# Altium PCB ir-24v-shit5-7.PcbDoc (part 3 of 6)
Units mm, origin at the board's own origin, x right, y up, seen from the top; angles counter-clockwise.
Board outline 326.8 x 258 mm, 2 copper layers (Top Layer, Bottom Layer); 1190 components, 31 nets, 3220 pads, 0 vias.
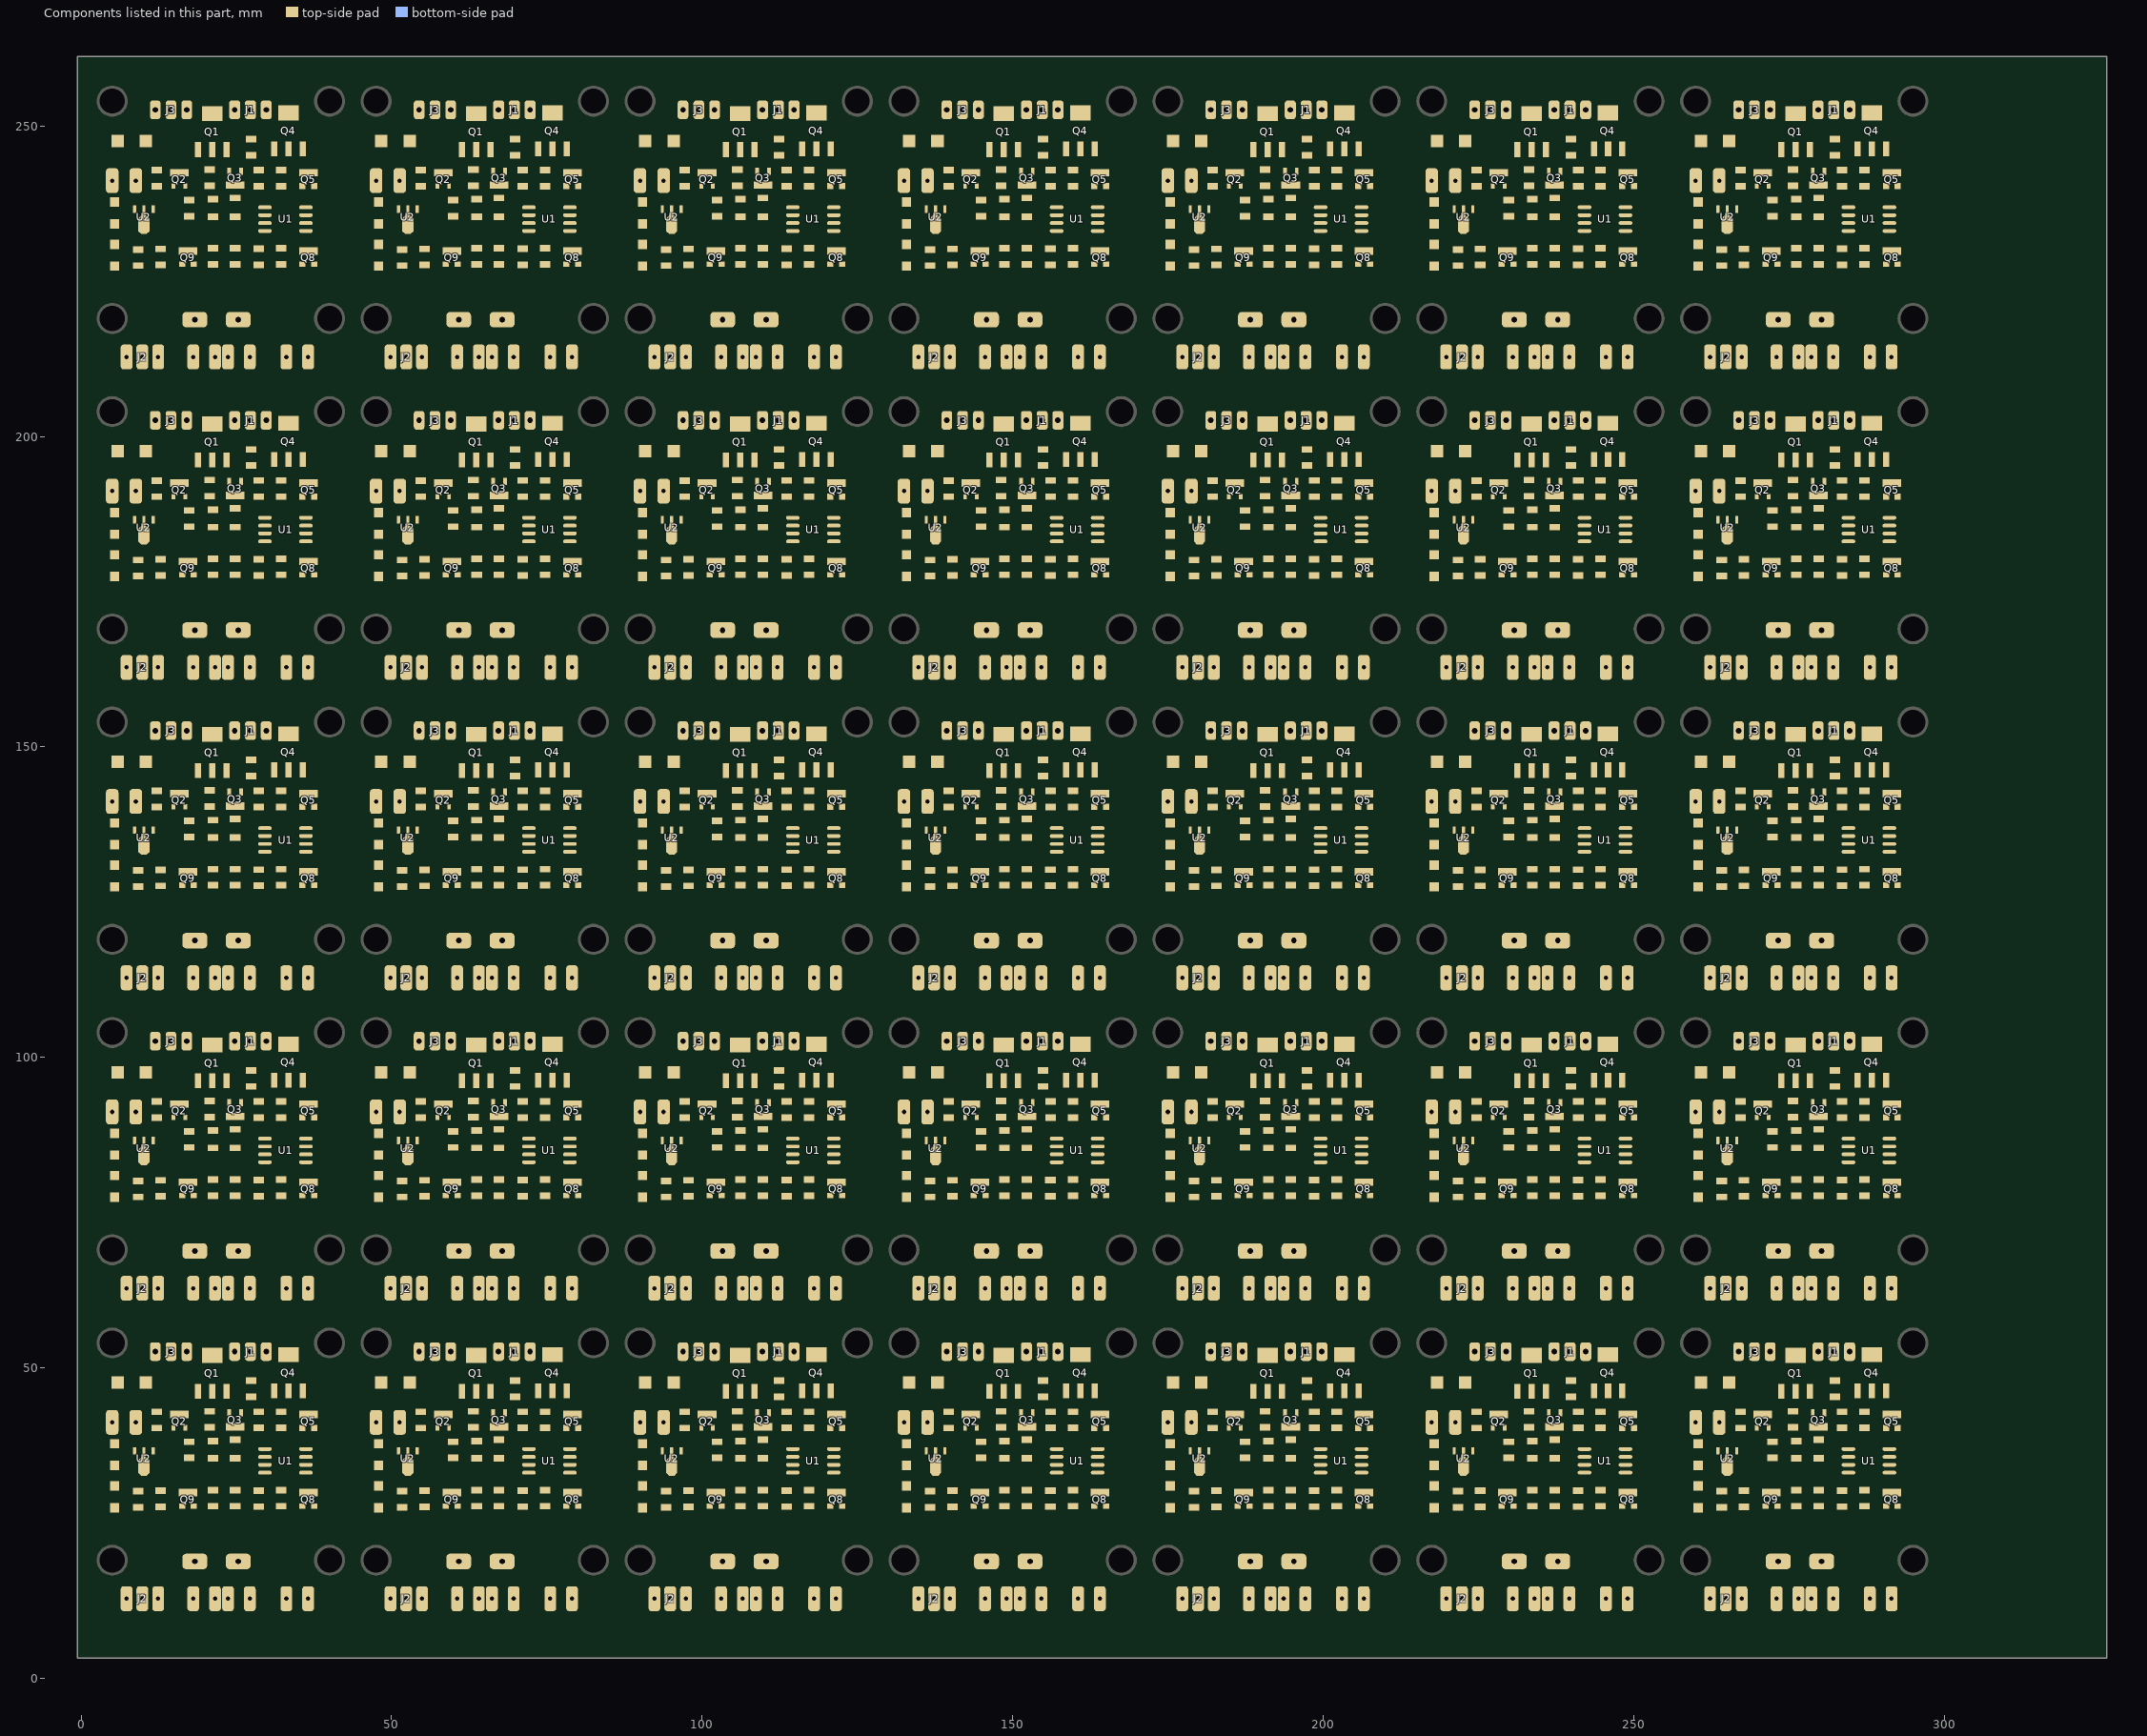
[diagram p3: the components of this part, seen from the top]

## Nets (pads, with @x,y where several pads share a name; then routed paths per layer and width w, separated by ;. In a path a pad name is that pad's centre, name@x,y a point inside that pad or via, vN(x,y) a via of type N, cw(c..) or ccw(c..) an arc to the next point about the centre after c; other vN are vias at no path point) (continued)
copper on no net: (continued)
  Top Layer w0.6: 5,27.45 5.45,27.9 5.9,27.9 8.101,30.101 9.2,30.101 9.501,30.101 13,33.6 13,35.4 ; 5,77.45 5.45,77.9 5.9,77.9 8.101,80.101 9.2,80.101 9.501,80.101 13,83.6 13,85.4 ; 5,127.45 5.45,127.9 5.9,127.9 8.101,130.101 9.2,130.101 9.501,130.101 13,133.6 13,135.4 ; 5,177.45 5.45,177.9 5.9,177.9 8.101,180.101 9.2,180.101 9.501,180.101 13,183.6 13,185.4 ; 5,227.45 5.45,227.9 5.9,227.9 8.101,230.101 9.2,230.101 9.501,230.101 13,233.6 13,235.4 ; 11.717,36.283 12.6,35.4 13,35.4 ; 11.717,86.283 12.6,85.4 13,85.4 ; 11.717,136.283 12.6,135.4 13,135.4 ; 11.717,186.283 12.6,185.4 13,185.4 ; 11.717,236.283 12.6,235.4 13,235.4 ; 12,40.299 12.099,40.2 14.85,40.2 ; 12,52.585 12,55.649 12.351,56 36.049,56 36.4,55.649 36.4,49.751 36.049,49.4 30.4,49.4 28.901,47.901 27.4,47.901 ; 12,90.299 12.099,90.2 14.85,90.2 ; 12,102.585 12,105.649 12.351,106 36.049,106 36.4,105.649 36.4,99.751 36.049,99.4 30.4,99.4 28.901,97.901 27.4,97.901 ; 12,140.299 12.099,140.2 14.85,140.2 ; 12,152.585 12,155.649 12.351,156 36.049,156 36.4,155.649 36.4,149.751 36.049,149.4 30.4,149.4 28.901,147.901 27.4,147.901 ; 12,190.299 12.099,190.2 14.85,190.2 ; 12,202.585 12,205.649 12.351,206 36.049,206 36.4,205.649 36.4,199.751 36.049,199.4 30.4,199.4 28.901,197.901 27.4,197.901 ; 12,240.299 12.099,240.2 14.85,240.2 ; 12,252.585 12,255.649 12.351,256 36.049,256 36.4,255.649 36.4,249.751 36.049,249.4 30.4,249.4 28.901,247.901 27.4,247.901 ; 12.349,13.96 12.349,19.451 11,20.8 11,28.624 11.351,28.975 14.175,28.975 14.6,29.4 14.6,30.8 16.6,32.8 28.105,32.8 28.4,33.095 29.2,33.095 ; 12.349,63.96 12.349,69.451 11,70.8 11,78.624 11.351,78.975 14.175,78.975 14.6,79.4 14.6,80.8 16.6,82.8 28.105,82.8 28.4,83.095 29.2,83.095 ; 12.349,113.96 12.349,119.451 11,120.8 11,128.624 11.351,128.975 14.175,128.975 14.6,129.4 14.6,130.8 16.6,132.8 28.105,132.8 28.4,133.095 29.2,133.095 ; 12.349,163.96 12.349,169.451 11,170.8 11,178.624 11.351,178.975 14.175,178.975 14.6,179.4 14.6,180.8 16.6,182.8 28.105,182.8 28.4,183.095 29.2,183.095 ; 12.349,213.96 12.349,219.451 11,220.8 11,228.624 11.351,228.975 14.175,228.975 14.6,229.4 14.6,230.8 16.6,232.8 28.105,232.8 28.4,233.095 29.2,233.095 ; 12.58,30.15 12.75,30.32 12.75,31.35 15.4,34 26.8,34 28.435,35.635 29.2,35.635 ; 12.58,80.15 12.75,80.32 12.75,81.35 15.4,84 26.8,84 28.435,85.635 29.2,85.635 ; 12.58,130.15 12.75,130.32 12.75,131.35 15.4,134 26.8,134 28.435,135.635 29.2,135.635 ; 12.58,180.15 12.75,180.32 12.75,181.35 15.4,184 26.8,184 28.435,185.635 29.2,185.635 ; 12.58,230.15 12.75,230.32 12.75,231.35 15.4,234 26.8,234 28.435,235.635 29.2,235.635 ; 12.6,42.97 12.75,43.12 12.75,43.35 13.638,44.238 17.762,44.238 18.6,43.4 18.6,42.4 19.324,41.676 22.476,41.676 23.25,42.45 23.85,42.45 23.85,42.888 ; 12.6,92.97 12.75,93.12 12.75,93.35 13.638,94.238 17.762,94.238 18.6,93.4 18.6,92.4 19.324,91.676 22.476,91.676 23.25,92.45 23.85,92.45 23.85,92.888 ; 12.6,142.97 12.75,143.12 12.75,143.35 13.638,144.238 17.762,144.238 18.6,143.4 18.6,142.4 19.324,141.676 22.476,141.676 23.25,142.45 23.85,142.45 23.85,142.888 ; 12.6,192.97 12.75,193.12 12.75,193.35 13.638,194.238 17.762,194.238 18.6,193.4 18.6,192.4 19.324,191.676 22.476,191.676 23.25,192.45 23.85,192.45 23.85,192.888 ; 12.6,242.97 12.75,243.12 12.75,243.35 13.638,244.238 17.762,244.238 18.6,243.4 18.6,242.4 19.324,241.676 22.476,241.676 23.25,242.45 23.85,242.45 23.85,242.888 ; 12.635,27.725 16.25,27.725 ; 12.635,77.725 16.25,77.725 ; 12.635,127.725 16.25,127.725 ; 12.635,177.725 16.25,177.725 ; 12.635,227.725 16.25,227.725 ; 15.4,42.475 15.7,42.175 17.225,42.175 19.095,40.305 19.8,40.305 ; 15.4,92.475 15.7,92.175 17.225,92.175 19.095,90.305 19.8,90.305 ; 15.4,142.475 15.7,142.175 17.225,142.175 19.095,140.305 19.8,140.305 ; 15.4,192.475 15.7,192.175 17.225,192.175 19.095,190.305 19.8,190.305 ; 15.4,242.475 15.7,242.175 17.225,242.175 19.095,240.305 19.8,240.305 ; 17.2,29.875 17.2,31.2 17.8,31.8 23.301,31.8 24.25,30.851 24.25,30.526 24.475,30.301 24.8,30.301 25.125,30.301 25.35,30.076 25.35,30.05 26.476,28.924 30.524,28.924 31.65,30.05 31.65,30.076 31.875,30.301 32.2,30.301 32.525,30.301 32.75,30.526 32.75,30.851 33,31.101 33,34.6 30.695,36.905 29.6,36.905 28.105,36.905 26.6,35.4 24.8,35.4 21.2,35.4 21.126,35.474 17.4,35.474 ; 17.2,79.875 17.2,81.2 17.8,81.8 23.301,81.8 24.25,80.851 24.25,80.526 24.475,80.301 24.8,80.301 25.125,80.301 25.35,80.076 25.35,80.05 26.476,78.924 30.524,78.924 31.65,80.05 31.65,80.076 31.875,80.301 32.2,80.301 32.525,80.301 32.75,80.526 32.75,80.851 33,81.101 33,84.6 30.695,86.905 29.6,86.905 28.105,86.905 26.6,85.4 24.8,85.4 21.2,85.4 21.126,85.474 17.4,85.474 ; 17.2,129.875 17.2,131.2 17.8,131.8 23.301,131.8 24.25,130.851 24.25,130.526 24.475,130.301 24.8,130.301 25.125,130.301 25.35,130.076 25.35,130.05 26.476,128.924 30.524,128.924 31.65,130.05 31.65,130.076 31.875,130.301 32.2,130.301 32.525,130.301 32.75,130.526 32.75,130.851 33,131.101 33,134.6 30.695,136.905 29.6,136.905 28.105,136.905 26.6,135.4 24.8,135.4 21.2,135.4 21.126,135.474 17.4,135.474 ; 17.2,179.875 17.2,181.2 17.8,181.8 23.301,181.8 24.25,180.851 24.25,180.526 24.475,180.301 24.8,180.301 25.125,180.301 25.35,180.076 25.35,180.05 26.476,178.924 30.524,178.924 31.65,180.05 31.65,180.076 31.875,180.301 32.2,180.301 32.525,180.301 32.75,180.526 32.75,180.851 33,181.101 33,184.6 30.695,186.905 29.6,186.905 28.105,186.905 26.6,185.4 24.8,185.4 21.2,185.4 21.126,185.474 17.4,185.474 ; 17.2,229.875 17.2,231.2 17.8,231.8 23.301,231.8 24.25,230.851 24.25,230.526 24.475,230.301 24.8,230.301 25.125,230.301 25.35,230.076 25.35,230.05 26.476,228.924 30.524,228.924 31.65,230.05 31.65,230.076 31.875,230.301 32.2,230.301 32.525,230.301 32.75,230.526 32.75,230.851 33,231.101 33,234.6 30.695,236.905 29.6,236.905 28.105,236.905 26.6,235.4 24.8,235.4 21.2,235.4 21.126,235.474 17.4,235.474 ; 17.4,35.4 13,35.4 ; 17.4,85.4 13,85.4 ; 17.4,135.4 13,135.4 ; 17.4,185.4 13,185.4 ; 17.4,235.4 13,235.4 ; 18.05,12.6 18.627,13.177 18.627,15.027 20.2,16.6 27.8,16.6 29,17.8 29,21.249 28.649,21.6 23.4,21.6 21.4,23.6 21.4,27.808 ; 18.05,62.6 18.627,63.177 18.627,65.027 20.2,66.6 27.8,66.6 29,67.8 29,71.249 28.649,71.6 23.4,71.6 21.4,73.6 21.4,77.808 ; 18.05,112.6 18.627,113.177 18.627,115.027 20.2,116.6 27.8,116.6 29,117.8 29,121.249 28.649,121.6 23.4,121.6 21.4,123.6 21.4,127.808 ; 18.05,162.6 18.627,163.177 18.627,165.027 20.2,166.6 27.8,166.6 29,167.8 29,171.249 28.649,171.6 23.4,171.6 21.4,173.6 21.4,177.808 ; 18.05,212.6 18.627,213.177 18.627,215.027 20.2,216.6 27.8,216.6 29,217.8 29,221.249 28.649,221.6 23.4,221.6 21.4,223.6 21.4,227.808 ; 18.15,27.725 18.275,27.85 18.65,27.85 20.65,29.85 20.65,30.076 20.875,30.301 21.2,30.301 ; 18.15,77.725 18.275,77.85 18.65,77.85 20.65,79.85 20.65,80.076 20.875,80.301 21.2,80.301 ; 18.15,127.725 18.275,127.85 18.65,127.85 20.65,129.85 20.65,130.076 20.875,130.301 21.2,130.301 ; 18.15,177.725 18.275,177.85 18.65,177.85 20.65,179.85 20.65,180.076 20.875,180.301 21.2,180.301 ; 18.15,227.725 18.275,227.85 18.65,227.85 20.65,229.85 20.65,230.076 20.875,230.301 21.2,230.301 ; 18.425,27.525 18.098,27.199 18.098,24.302 23.072,19.328 24.372,19.328 25.3,18.4 ; 18.425,77.525 18.098,77.199 18.098,74.302 23.072,69.328 24.372,69.328 25.3,68.4 ; 18.425,127.525 18.098,127.199 18.098,124.302 23.072,119.328 24.372,119.328 25.3,118.4 ; 18.425,177.525 18.098,177.199 18.098,174.302 23.072,169.328 24.372,169.328 25.3,168.4 ; 18.425,227.525 18.098,227.199 18.098,224.302 23.072,219.328 24.372,219.328 25.3,218.4 ; 19,46.237 19,45.3 20.118,44.182 20.118,43.107 20.4,42.825 ; 19,96.237 19,95.3 20.118,94.182 20.118,93.107 20.4,92.825 ; 19,146.237 19,145.3 20.118,144.182 20.118,143.107 20.4,142.825 ; 19,196.237 19,195.3 20.118,194.182 20.118,193.107 20.4,192.825 ; 19,246.237 19,245.3 20.118,244.182 20.118,243.107 20.4,242.825 ; 23.4,46.4 24.8,46.4 25.963,47.563 28.062,47.563 ; 23.4,96.4 24.8,96.4 25.963,97.563 28.062,97.563 ; 23.4,146.4 24.8,146.4 25.963,147.563 28.062,147.563 ; 23.4,196.4 24.8,196.4 25.963,197.563 28.062,197.563 ; 23.4,246.4 24.8,246.4 25.963,247.563 28.062,247.563 ; 24.8,27.705 24.8,24 25.4,23.4 30.449,23.4 30.8,23.049 30.8,16.6 28.447,14.247 27.164,14.247 26.717,13.8 ; 24.8,38.4 25,38.6 25,40.275 24.8,40.475 ; 24.8,77.705 24.8,74 25.4,73.4 30.449,73.4 30.8,73.049 30.8,66.6 28.447,64.247 27.164,64.247 26.717,63.8 ; 24.8,88.4 25,88.6 25,90.275 24.8,90.475 ; 24.8,127.705 24.8,124 25.4,123.4 30.449,123.4 30.8,123.049 30.8,116.6 28.447,114.247 27.164,114.247 26.717,113.8 ; 24.8,138.4 25,138.6 25,140.275 24.8,140.475 ; 24.8,177.705 24.8,174 25.4,173.4 30.449,173.4 30.8,173.049 30.8,166.6 28.447,164.247 27.164,164.247 26.717,163.8 ; 24.8,188.4 25,188.6 25,190.275 24.8,190.475 ; 24.8,227.705 24.8,224 25.4,223.4 30.449,223.4 30.8,223.049 30.8,216.6 28.447,214.247 27.164,214.247 26.717,213.8 ; 24.8,238.4 25,238.6 25,240.275 24.8,240.475 ; 25.75,42.725 25.75,43 28.374,43 ; 25.75,92.725 25.75,93 28.374,93 ; 25.75,142.725 25.75,143 28.374,143 ; 25.75,192.725 25.75,193 28.374,193 ; 25.75,242.725 25.75,243 28.374,243 ; 28.587,27.624 28.587,26.124 28.939,25.772 33.622,25.772 35.45,27.6 35.45,27.725 ; 28.587,30.22 28.812,30.445 29.645,30.445 31.8,32.6 31.8,34.014 31.449,34.365 29.2,34.365 ; 28.587,77.624 28.587,76.124 28.939,75.772 33.622,75.772 35.45,77.6 35.45,77.725 ; 28.587,80.22 28.812,80.445 29.645,80.445 31.8,82.6 31.8,84.014 31.449,84.365 29.2,84.365 ; 28.587,127.624 28.587,126.124 28.939,125.772 33.622,125.772 35.45,127.6 35.45,127.725 ; 28.587,130.22 28.812,130.445 29.645,130.445 31.8,132.6 31.8,134.014 31.449,134.365 29.2,134.365 ; 28.587,177.624 28.587,176.124 28.939,175.772 33.622,175.772 35.45,177.6 35.45,177.725 ; 28.587,180.22 28.812,180.445 29.645,180.445 31.8,182.6 31.8,184.014 31.449,184.365 29.2,184.365 ; 28.587,227.624 28.587,226.124 28.939,225.772 33.622,225.772 35.45,227.6 35.45,227.725 ; 28.587,230.22 28.812,230.445 29.645,230.445 31.8,232.6 31.8,234.014 31.449,234.365 29.2,234.365 ; 47.5,27.45 47.95,27.9 48.4,27.9 50.601,30.101 51.7,30.101 52.001,30.101 55.5,33.6 55.5,35.4 ; 47.5,77.45 47.95,77.9 48.4,77.9 50.601,80.101 51.7,80.101 52.001,80.101 55.5,83.6 55.5,85.4 ; 47.5,127.45 47.95,127.9 48.4,127.9 50.601,130.101 51.7,130.101 52.001,130.101 55.5,133.6 55.5,135.4 ; 47.5,177.45 47.95,177.9 48.4,177.9 50.601,180.101 51.7,180.101 52.001,180.101 55.5,183.6 55.5,185.4 ; 47.5,227.45 47.95,227.9 48.4,227.9 50.601,230.101 51.7,230.101 52.001,230.101 55.5,233.6 55.5,235.4 ; 54.217,36.283 55.1,35.4 55.5,35.4 ; 54.217,86.283 55.1,85.4 55.5,85.4 ; 54.217,136.283 55.1,135.4 55.5,135.4 ; 54.217,186.283 55.1,185.4 55.5,185.4 ; 54.217,236.283 55.1,235.4 55.5,235.4 ; 54.5,40.299 54.599,40.2 57.35,40.2 ; 54.5,52.585 54.5,55.649 54.851,56 78.549,56 78.9,55.649 78.9,49.751 78.549,49.4 72.9,49.4 71.401,47.901 69.9,47.901 ; 54.5,90.299 54.599,90.2 57.35,90.2 ; 54.5,102.585 54.5,105.649 54.851,106 78.549,106 78.9,105.649 78.9,99.751 78.549,99.4 72.9,99.4 71.401,97.901 69.9,97.901 ; 54.5,140.299 54.599,140.2 57.35,140.2 ; 54.5,152.585 54.5,155.649 54.851,156 78.549,156 78.9,155.649 78.9,149.751 78.549,149.4 72.9,149.4 71.401,147.901 69.9,147.901 ; 54.5,190.299 54.599,190.2 57.35,190.2 ; 54.5,202.585 54.5,205.649 54.851,206 78.549,206 78.9,205.649 78.9,199.751 78.549,199.4 72.9,199.4 71.401,197.901 69.9,197.901 ; 54.5,240.299 54.599,240.2 57.35,240.2 ; 54.5,252.585 54.5,255.649 54.851,256 78.549,256 78.9,255.649 78.9,249.751 78.549,249.4 72.9,249.4 71.401,247.901 69.9,247.901 ; 54.849,13.96 54.849,19.451 53.5,20.8 53.5,28.624 53.851,28.975 56.675,28.975 57.1,29.4 57.1,30.8 59.1,32.8 70.605,32.8 70.9,33.095 71.7,33.095 ; 54.849,63.96 54.849,69.451 53.5,70.8 53.5,78.624 53.851,78.975 56.675,78.975 57.1,79.4 57.1,80.8 59.1,82.8 70.605,82.8 70.9,83.095 71.7,83.095 ; 54.849,113.96 54.849,119.451 53.5,120.8 53.5,128.624 53.851,128.975 56.675,128.975 57.1,129.4 57.1,130.8 59.1,132.8 70.605,132.8 70.9,133.095 71.7,133.095 ; 54.849,163.96 54.849,169.451 53.5,170.8 53.5,178.624 53.851,178.975 56.675,178.975 57.1,179.4 57.1,180.8 59.1,182.8 70.605,182.8 70.9,183.095 71.7,183.095 ; 54.849,213.96 54.849,219.451 53.5,220.8 53.5,228.624 53.851,228.975 56.675,228.975 57.1,229.4 57.1,230.8 59.1,232.8 70.605,232.8 70.9,233.095 71.7,233.095 ; 55.08,30.15 55.25,30.32 55.25,31.35 57.9,34 69.3,34 70.935,35.635 71.7,35.635 ; 55.08,80.15 55.25,80.32 55.25,81.35 57.9,84 69.3,84 70.935,85.635 71.7,85.635 ; 55.08,130.15 55.25,130.32 55.25,131.35 57.9,134 69.3,134 70.935,135.635 71.7,135.635 ; 55.08,180.15 55.25,180.32 55.25,181.35 57.9,184 69.3,184 70.935,185.635 71.7,185.635 ; 55.08,230.15 55.25,230.32 55.25,231.35 57.9,234 69.3,234 70.935,235.635 71.7,235.635 ; 55.1,42.97 55.25,43.12 55.25,43.35 56.138,44.238 60.262,44.238 61.1,43.4 61.1,42.4 61.824,41.676 64.976,41.676 65.75,42.45 66.35,42.45 66.35,42.888 ; 55.1,92.97 55.25,93.12 55.25,93.35 56.138,94.238 60.262,94.238 61.1,93.4 61.1,92.4 61.824,91.676 64.976,91.676 65.75,92.45 66.35,92.45 66.35,92.888 ; 55.1,142.97 55.25,143.12 55.25,143.35 56.138,144.238 60.262,144.238 61.1,143.4 61.1,142.4 61.824,141.676 64.976,141.676 65.75,142.45 66.35,142.45 66.35,142.888 ; 55.1,192.97 55.25,193.12 55.25,193.35 56.138,194.238 60.262,194.238 61.1,193.4 61.1,192.4 61.824,191.676 64.976,191.676 65.75,192.45 66.35,192.45 66.35,192.888 ; 55.1,242.97 55.25,243.12 55.25,243.35 56.138,244.238 60.262,244.238 61.1,243.4 61.1,242.4 61.824,241.676 64.976,241.676 65.75,242.45 66.35,242.45 66.35,242.888 ; 55.135,27.725 58.75,27.725 ; 55.135,77.725 58.75,77.725 ; 55.135,127.725 58.75,127.725 ; 55.135,177.725 58.75,177.725 ; 55.135,227.725 58.75,227.725 ; 57.9,42.475 58.2,42.175 59.725,42.175 61.595,40.305 62.3,40.305 ; 57.9,92.475 58.2,92.175 59.725,92.175 61.595,90.305 62.3,90.305 ; 57.9,142.475 58.2,142.175 59.725,142.175 61.595,140.305 62.3,140.305 ; 57.9,192.475 58.2,192.175 59.725,192.175 61.595,190.305 62.3,190.305 ; 57.9,242.475 58.2,242.175 59.725,242.175 61.595,240.305 62.3,240.305 ; 59.7,29.875 59.7,31.2 60.3,31.8 65.801,31.8 66.75,30.851 66.75,30.526 66.975,30.301 67.3,30.301 67.625,30.301 67.85,30.076 67.85,30.05 68.976,28.924 73.024,28.924 74.15,30.05 74.15,30.076 74.375,30.301 74.7,30.301 75.025,30.301 75.25,30.526 75.25,30.851 75.5,31.101 75.5,34.6 73.195,36.905 72.1,36.905 70.605,36.905 69.1,35.4 67.3,35.4 63.7,35.4 63.626,35.474 59.9,35.474 ; 59.7,79.875 59.7,81.2 60.3,81.8 65.801,81.8 66.75,80.851 66.75,80.526 66.975,80.301 67.3,80.301 67.625,80.301 67.85,80.076 67.85,80.05 68.976,78.924 73.024,78.924 74.15,80.05 74.15,80.076 74.375,80.301 74.7,80.301 75.025,80.301 75.25,80.526 75.25,80.851 75.5,81.101 75.5,84.6 73.195,86.905 72.1,86.905 70.605,86.905 69.1,85.4 67.3,85.4 63.7,85.4 63.626,85.474 59.9,85.474 ; 59.7,129.875 59.7,131.2 60.3,131.8 65.801,131.8 66.75,130.851 66.75,130.526 66.975,130.301 67.3,130.301 67.625,130.301 67.85,130.076 67.85,130.05 68.976,128.924 73.024,128.924 74.15,130.05 74.15,130.076 74.375,130.301 74.7,130.301 75.025,130.301 75.25,130.526 75.25,130.851 75.5,131.101 75.5,134.6 73.195,136.905 72.1,136.905 70.605,136.905 69.1,135.4 67.3,135.4 63.7,135.4 63.626,135.474 59.9,135.474 ; 59.7,179.875 59.7,181.2 60.3,181.8 65.801,181.8 66.75,180.851 66.75,180.526 66.975,180.301 67.3,180.301 67.625,180.301 67.85,180.076 67.85,180.05 68.976,178.924 73.024,178.924 74.15,180.05 74.15,180.076 74.375,180.301 74.7,180.301 75.025,180.301 75.25,180.526 75.25,180.851 75.5,181.101 75.5,184.6 73.195,186.905 72.1,186.905 70.605,186.905 69.1,185.4 67.3,185.4 63.7,185.4 63.626,185.474 59.9,185.474 ; 59.7,229.875 59.7,231.2 60.3,231.8 65.801,231.8 66.75,230.851 66.75,230.526 66.975,230.301 67.3,230.301 67.625,230.301 67.85,230.076 67.85,230.05 68.976,228.924 73.024,228.924 74.15,230.05 74.15,230.076 74.375,230.301 74.7,230.301 75.025,230.301 75.25,230.526 75.25,230.851 75.5,231.101 75.5,234.6 73.195,236.905 72.1,236.905 70.605,236.905 69.1,235.4 67.3,235.4 63.7,235.4 63.626,235.474 59.9,235.474 ; 59.9,35.4 55.5,35.4 ; 59.9,85.4 55.5,85.4 ; 59.9,135.4 55.5,135.4 ; 59.9,185.4 55.5,185.4 ; 59.9,235.4 55.5,235.4 ; 60.55,12.6 61.127,13.177 61.127,15.027 62.7,16.6 70.3,16.6 71.5,17.8 71.5,21.249 71.149,21.6 65.9,21.6 63.9,23.6 63.9,27.808 ; 60.55,62.6 61.127,63.177 61.127,65.027 62.7,66.6 70.3,66.6 71.5,67.8 71.5,71.249 71.149,71.6 65.9,71.6 63.9,73.6 63.9,77.808 ; 60.55,112.6 61.127,113.177 61.127,115.027 62.7,116.6 70.3,116.6 71.5,117.8 71.5,121.249 71.149,121.6 65.9,121.6 63.9,123.6 63.9,127.808 ; 60.55,162.6 61.127,163.177 61.127,165.027 62.7,166.6 70.3,166.6 71.5,167.8 71.5,171.249 71.149,171.6 65.9,171.6 63.9,173.6 63.9,177.808 ; 60.55,212.6 61.127,213.177 61.127,215.027 62.7,216.6 70.3,216.6 71.5,217.8 71.5,221.249 71.149,221.6 65.9,221.6 63.9,223.6 63.9,227.808 ; 60.65,27.725 60.775,27.85 61.15,27.85 63.15,29.85 63.15,30.076 63.375,30.301 63.7,30.301 ; 60.65,77.725 60.775,77.85 61.15,77.85 63.15,79.85 63.15,80.076 63.375,80.301 63.7,80.301 ; 60.65,127.725 60.775,127.85 61.15,127.85 63.15,129.85 63.15,130.076 63.375,130.301 63.7,130.301 ; 60.65,177.725 60.775,177.85 61.15,177.85 63.15,179.85 63.15,180.076 63.375,180.301 63.7,180.301 ; 60.65,227.725 60.775,227.85 61.15,227.85 63.15,229.85 63.15,230.076 63.375,230.301 63.7,230.301 ; 60.925,27.525 60.598,27.199 60.598,24.302 65.572,19.328 66.872,19.328 67.8,18.4 ; 60.925,77.525 60.598,77.199 60.598,74.302 65.572,69.328 66.872,69.328 67.8,68.4 ; 60.925,127.525 60.598,127.199 60.598,124.302 65.572,119.328 66.872,119.328 67.8,118.4 ; 60.925,177.525 60.598,177.199 60.598,174.302 65.572,169.328 66.872,169.328 67.8,168.4 ; 60.925,227.525 60.598,227.199 60.598,224.302 65.572,219.328 66.872,219.328 67.8,218.4 ; 61.5,46.237 61.5,45.3 62.618,44.182 62.618,43.107 62.9,42.825 ; 61.5,96.237 61.5,95.3 62.618,94.182 62.618,93.107 62.9,92.825 ; 61.5,146.237 61.5,145.3 62.618,144.182 62.618,143.107 62.9,142.825 ; 61.5,196.237 61.5,195.3 62.618,194.182 62.618,193.107 62.9,192.825 ; 61.5,246.237 61.5,245.3 62.618,244.182 62.618,243.107 62.9,242.825 ; 65.9,46.4 67.3,46.4 68.463,47.563 70.562,47.563 ; 65.9,96.4 67.3,96.4 68.463,97.563 70.562,97.563 ; 65.9,146.4 67.3,146.4 68.463,147.563 70.562,147.563 ; 65.9,196.4 67.3,196.4 68.463,197.563 70.562,197.563 ; 65.9,246.4 67.3,246.4 68.463,247.563 70.562,247.563 ; 67.3,27.705 67.3,24 67.9,23.4 72.949,23.4 73.3,23.049 73.3,16.6 70.947,14.247 69.664,14.247 69.217,13.8 ; 67.3,38.4 67.5,38.6 67.5,40.275 67.3,40.475 ; 67.3,77.705 67.3,74 67.9,73.4 72.949,73.4 73.3,73.049 73.3,66.6 70.947,64.247 69.664,64.247 69.217,63.8 ; 67.3,88.4 67.5,88.6 67.5,90.275 67.3,90.475 ; 67.3,127.705 67.3,124 67.9,123.4 72.949,123.4 73.3,123.049 73.3,116.6 70.947,114.247 69.664,114.247 69.217,113.8 ; 67.3,138.4 67.5,138.6 67.5,140.275 67.3,140.475 ; 67.3,177.705 67.3,174 67.9,173.4 72.949,173.4 73.3,173.049 73.3,166.6 70.947,164.247 69.664,164.247 69.217,163.8 ; 67.3,188.4 67.5,188.6 67.5,190.275 67.3,190.475 ; 67.3,227.705 67.3,224 67.9,223.4 72.949,223.4 73.3,223.049 73.3,216.6 70.947,214.247 69.664,214.247 69.217,213.8 ; 67.3,238.4 67.5,238.6 67.5,240.275 67.3,240.475 ; 68.25,42.725 68.25,43 70.874,43 ; 68.25,92.725 68.25,93 70.874,93 ; 68.25,142.725 68.25,143 70.874,143 ; 68.25,192.725 68.25,193 70.874,193 ; 68.25,242.725 68.25,243 70.874,243 ; 71.087,27.624 71.087,26.124 71.439,25.772 76.122,25.772 77.95,27.6 77.95,27.725 ; 71.087,30.22 71.312,30.445 72.145,30.445 74.3,32.6 74.3,34.014 73.949,34.365 71.7,34.365 ; 71.087,77.624 71.087,76.124 71.439,75.772 76.122,75.772 77.95,77.6 77.95,77.725 ; 71.087,80.22 71.312,80.445 72.145,80.445 74.3,82.6 74.3,84.014 73.949,84.365 71.7,84.365 ; 71.087,127.624 71.087,126.124 71.439,125.772 76.122,125.772 77.95,127.6 77.95,127.725 ; 71.087,130.22 71.312,130.445 72.145,130.445 74.3,132.6 74.3,134.014 73.949,134.365 71.7,134.365 ; 71.087,177.624 71.087,176.124 71.439,175.772 76.122,175.772 77.95,177.6 77.95,177.725 ; 71.087,180.22 71.312,180.445 72.145,180.445 74.3,182.6 74.3,184.014 73.949,184.365 71.7,184.365 ; 71.087,227.624 71.087,226.124 71.439,225.772 76.122,225.772 77.95,227.6 77.95,227.725 ; 71.087,230.22 71.312,230.445 72.145,230.445 74.3,232.6 74.3,234.014 73.949,234.365 71.7,234.365 ; 90,27.45 